# KiCad board MB1075.kicad_pcb (continued)
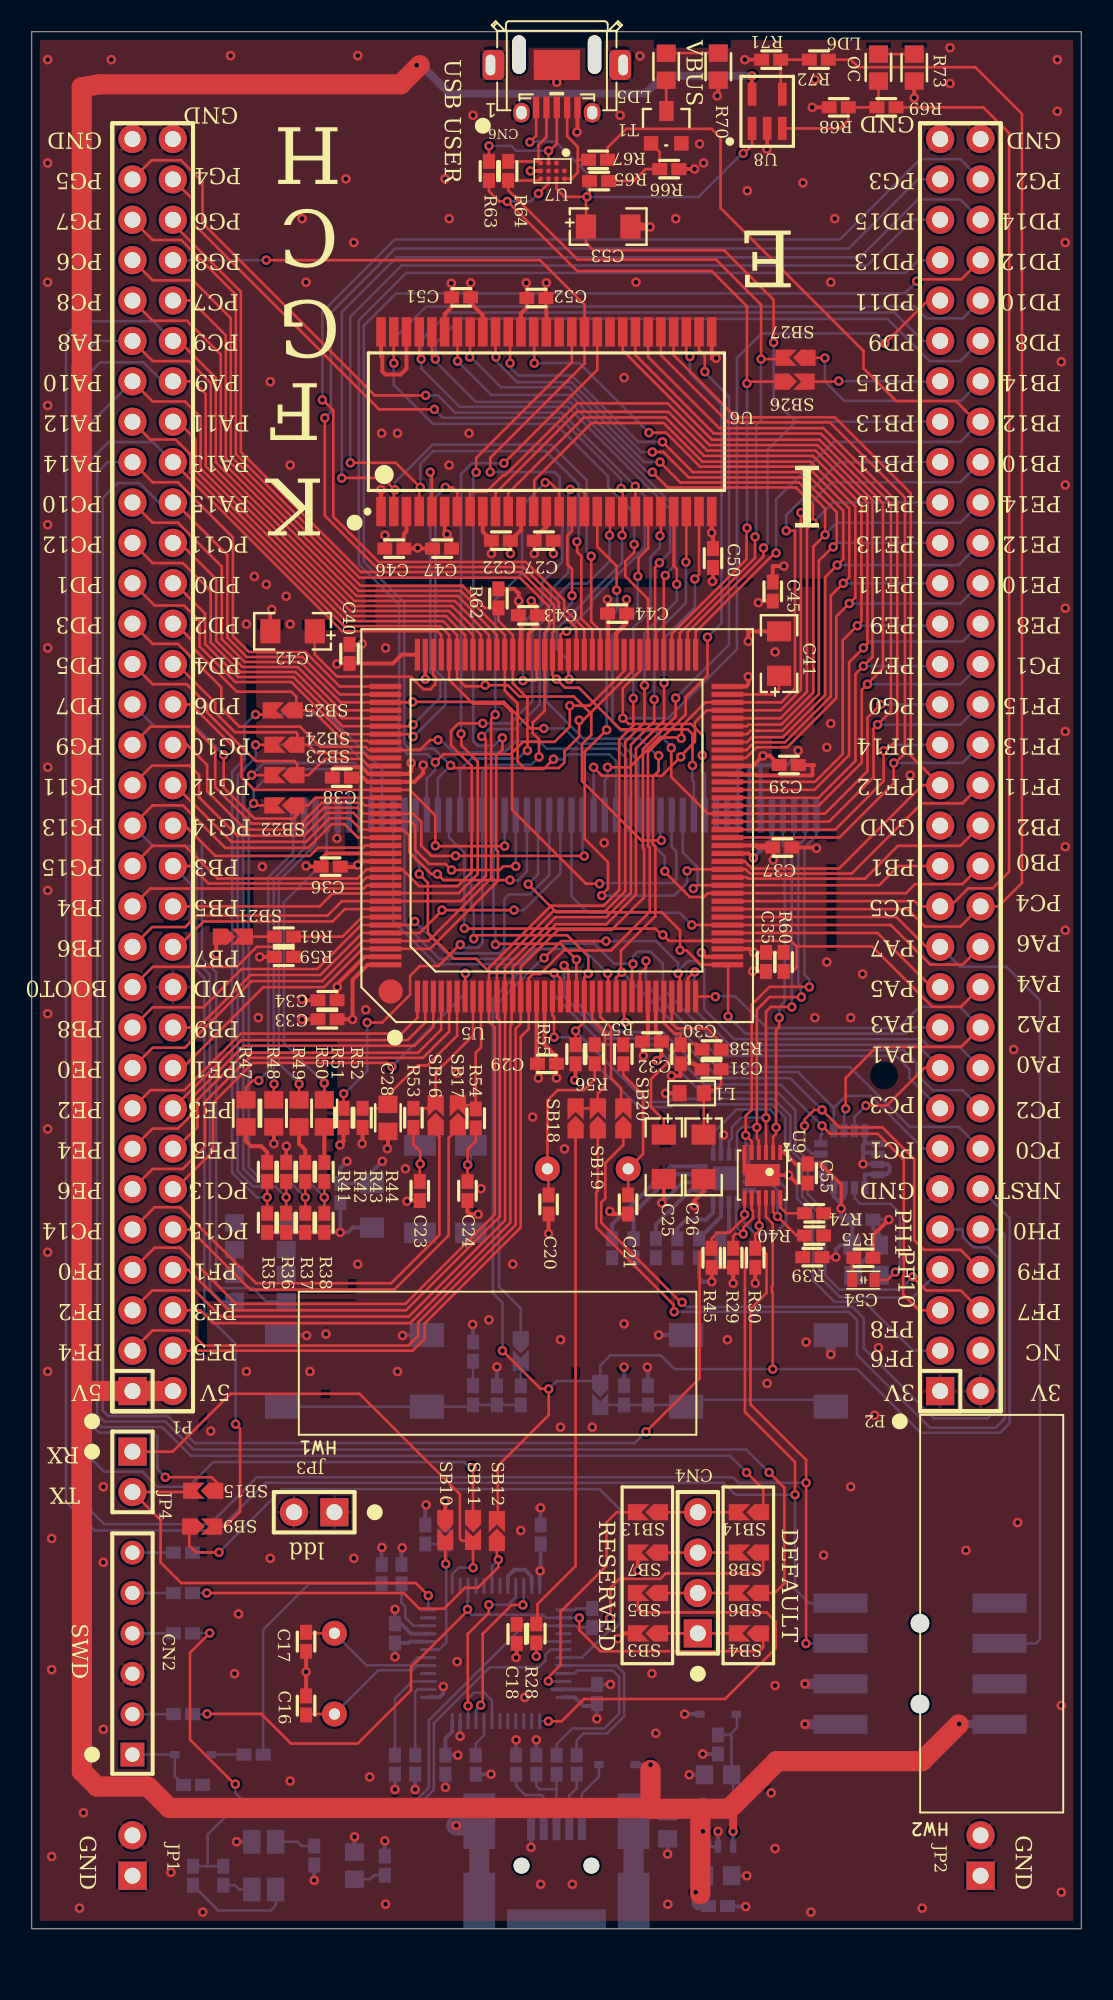
[diagram p0: board, top side]
## Nets (continued)
NetCN1_3: CN1.3 R10.1 R11.1
NetCN1_4: CN1.4 R9.1
NetCN2_1: CN2.1 D1.1 R5.1
NetCN2_2: CN2.2 R14.1
NetCN2_4: CN2.4 R15.1
NetCN2_5: CN2.5 R17.1
NetCN2_6: CN2.6 R20.1
NetCN4_1: CN4.1 SB3.1 SB4.2
NetCN4_2: CN4.2 SB5.1 SB6.2
NetCN4_3: CN4.3 SB7.1 SB8.2
NetCN4_4: CN4.4 SB13.1 SB14.2
NetCN5_45: CN5.45 R50.2
NetCN5_46: CN5.46 R49.2
NetCN5_47: CN5.47 R48.2
NetCN5_48: CN5.48 R47.2
NetCN6_2: CN6.2 R64.2 U7.D1
NetCN6_3: CN6.3 R63.2 U7.C1
NetCN6_4: CN6.4 R67.2 U7.A3
NetD1_2: D1.2 R13.1
NetLD1_2: LD1.2 R2.2
NetLD1_3: LD1.3 R1.2
NetLD1_4: LD1.4 R3.1
NetLD2_1: LD2.1 R4.1
NetLD3_1: LD3.1 R26.2
NetLD4_1: LD4.1 R27.2
NetLD5_1: LD5.1 R70.1
NetLD5_2: LD5.2 T1.3
NetLD6_1: LD6.1 R73.1
NetLD6_2: LD6.2 R68.1 R69.1 U8.3
NetP2_51: P2.51 SB26.2
NetP2_52: P2.52 SB27.1
NetR6_2: R6.2 U2.3
NetR7_2: R7.2 U2.2
NetR8_2: R8.2 U2.44
NetR23_1: R23.1 SB2.2
NetR28_1: R28.1 U2.29
NetR31_2: R31.2 U4.7
NetR32_1: R32.1 U4.8
NetR33_1: R33.1 U4.9
NetR34_1: R34.1 U4.11
NetR46_1: R46.1 U4.12
NetR61_1: R61.1 SB21.2
NetR65_1: R65.1 R66.1 T1.1
NetR71_1: R71.1 R72.2 U8.4
NetR74_2: R74.2 U9.12
NRST: CN5.39 P2.12 SB1.1 SB12.2 U5.25 U9.10
OSC_IN: C16.1 U2.5 X1.2
OSC_OUT: C17.1 U2.6 X1.1
PA0: P2.18 SB2.1 U5.34
PA1: P2.17 U3.7 U5.35
PA2: P2.20 U3.6 U5.36
PA4: CN5.34 P2.22 R60.1 U5.40
PA5: P2.21 U5.41
PA7: CN3.4 P2.23 U5.43
PA8: CN3.3 P1.53 R30.1 U4.4 U5.100 U9.9
PA9: P1.52 SB11.1 U5.101
PA10: P1.51 SB15.1 U5.102
PA11: CN5.15 P1.50 U5.103
PA12: CN5.14 P1.49 U5.104
PA13: P1.48 SB14.1 U5.105
PA14: P1.47 SB6.1 U5.109
PA15: P1.46 R45.1 U4.2 U5.110 U9.7
PB0: CN5.16 P2.28 U5.46
PB1: CN5.13 P2.27 U5.47
PB2: P2.30 U5.48
PB3: P1.28 SB9.2 U5.133
PB4: P1.25 U5.134
PB5: P1.26 U5.135 U6.37
PB6: P1.23 U5.136 U6.19
PB7: P1.24 U5.137
PB12: P2.50 R67.1 U5.73
PB13: C53.1 CN6.1 P2.49 R65.2 U5.74 U7.B3 U8.1
PB14: R64.1 SB27.2 U5.75 U7.D3
PB15: R63.1 SB26.1 U5.76 U7.C3
PC0: P2.14 U5.26 U6.16
PC1: P2.13 U3.5 U5.27
PC2: CN5.38 P2.16 U5.28
PC3: P2.15 U5.29
PC4: P2.26 R72.1 U5.44
PC5: P2.25 R69.2 U5.45
PC6: CN5.33 P1.57 R62.1 U5.96
PC8: P1.55 U5.98
PC9: CN3.1 P1.54 R29.1 U4.5 U5.99 U9.8
PC10: CN5.17 P1.45 U5.111
PC11: P1.44 U5.112
PC12: P1.43 U5.113
PC13: P1.12 U5.7
PC14: P1.9 SB16.1
PC14-OSC32_IN: R53.1 SB16.2 U5.8
PC15: P1.10 SB17.1
PC15-OSC32_OUT: R54.1 SB17.2 U5.9
PD2: P1.40 SB25.1 U5.116
PD4: P1.38 SB24.1 U5.118
PD5: P1.37 SB23.1 U5.119
PD7: P1.35 SB22.1 U5.123
PD11: CN5.11 P2.55 U5.80
PD12: CN5.35 P2.58 U5.81
PD13: CN5.36 P2.57 U5.82
PE0: P1.17 U5.141 U6.15
PE1: P1.18 U5.142 U6.39
PE2: P1.15 U5.1
PE3: P1.16 U5.2
PE4: P1.13 U5.3
PE5: P1.14 U5.4
PE6: P1.11 U5.5
PF6: P2.3 U5.18
PF7: CN5.37 P2.6 U3.2 U5.19
PF8: P2.5 U3.4 U5.20
PF9: CN5.30 P2.8 U3.3 U5.21
PF10: CN5.32 P2.7 R55.1 U5.22
PF11: P2.32 U5.49 U6.18
PG2: P2.62 U5.87
PG3: P2.61 U5.88
PG4: P1.62 U5.89 U6.20
PG5: P1.61 U5.90 U6.21
PG6: CN5.12 P1.60 U5.91
PG7: CN5.31 P1.59 R51.1 U5.92
PG8: P1.58 U5.93 U6.38
PG9: P1.33 U5.124
PG13: P1.29 R26.1 U5.128
PG14: P1.30 R27.1 U5.129
PG15: P1.27 U5.132 U6.17
PH0: P2.10 SB19.1
PH0-OSC_IN: R56.1 SB18.2 SB19.2 U5.23
PH1: P2.9 SB20.1
PH1-OSC_OUT: R57.1 SB20.2 U5.24
STLINK_RX: JP4.1 SB11.2 U2.13
STLINK_TX: JP4.2 SB15.2 U2.12
STM_JTCK: SB5.2 U2.37
STM_JTMS: SB13.2 U2.34
STM_RST: C9.2 R21.1 SB10.2 U2.7
SWIM: U2.22 U2.45
SWIM_IN: U2.21 U2.43 U2.46
SWIM_RST: U2.42
SWIM_RST_IN: U2.41
T_JTCK: R14.2 SB4.1 U2.15 U2.26
T_JTDI: U2.17
T_JTDO: U2.16
T_JTMS: R15.2 R16.2 SB8.1 U2.27
T_NRST: R17.2 SB12.1 U2.18
T_SWDIO_IN: R16.1 U2.25
T_SWO: R20.2 SB9.1 U2.31
U5V: CN1.1 D2.1
USB_DM: R12.2 U2.32
USB_DP: R11.2 U2.33
XL: CN5.2 U4.16 U9.4
XR: CN5.4 U4.13 U9.2
YD: CN5.1 U4.1 U9.5
YU: CN5.3 U4.15 U9.3

Pads without a net: CN3 2 6; CN5 9 10; P2 4; U2 4 11 14 19 28 38 39 40; U4 17; U5 145; U6 36 40; U7 A2 B1 B2 C2; X2 2 3

## Via types
v1: diameter 0.6, hole 0.3, TOP to Bottom, 500 vias

## Routing (per net, layer and track width the routed paths; a pad name or vN(x,y) marks a point on that pad's centre or on a via; arc(x,y) is an arc through that point)
3V: length 102.1
  TOP w0.21: v1(50.9,45.3) 50.9,46.82 49.61,48.1 C55.1 48.02,48.1 47.3,48.83 U9.1
  TOP w0.25: v1(42.76,87.8) 42.77,87.79 ; 42.77,87.79 U6.27 ; 42.77,87.79 42.8,87.75 42.84,87.75 C50.2 ; v1(55.5,115.14) 55.5,115.14 R73.2 ; R37.2 R38.2 ; R38.2 v1(19.4,43.8) ; R38.2 R35.2 ; 24.27,86.8 C47.2 ; 24.27,86.8 v1(24.27,86.84) ; 24.27,86.8 C46.2 23.4,87.72 23.57,87.89 U6.3 ; v1(43.11,115.27) 43.17,115.27 R70.2 ; v1(44.84,117.55) R71.2 ; 38.11,18.58 37.26,18.58 36.93,18.25 v1(36.86,18.25) ; U6.1 21.97,90.51 v1(21.96,90.51) ; U6.9 28.36,87.86 28.91,87.32 28.91,86.38 v1(28.91,86.49) ; U6.43 30.77,101.59 31.13,101.96 C52.2 31.13,103.51 v1(31.1,103.51) ; v1(31.61,86.49) 31.61,86.38 31.61,87.41 32.36,88.17 U6.14 ; R39.1 v1(50.57,42.24) ; v1(44.11,40.6) R29.2 R45.2 42.76,40.71 v1(42.77,40.7) ; v1(26.38,103.48) 26.4,103.48 C51.2 26.4,101.99 25.97,101.56 U6.49 ; R30.2 v1(45.5,40.6) ; v1(49.09,114.55) R68.2
  Bottom w0.25: 42.1,42.2 42.65,42.75 42.65,42.79 43.27,43.41 C49.2 43.85,43.95 U4.6 ; CN5.8 44.44,72.88 44.73,73.17 45.17,73.17 ; 45.86,73.17 47.48,73.17 48.2,73.89 v1(48.2,74.09) ; 45.86,73.17 45.84,73.16 CN5.6 ; 45.86,73.17 45.17,73.17 ; U4.14 43.35,49.78 v1(43.5,49.93) ; CN5.44 19.24,68.62 v1(19.2,68.58) ; v1(22.84,20.09) C8.2 23.23,19.18 23.85,18.56 U2.9 ; C7.2 35.54,14.01 ; 35.54,14.01 35.54,13.21 v1(35.54,13.21) ; 35.54,14.01 34.7,14.01 34.15,14.56 U2.36 ; R18.1 22,23.99 v1(22.02,23.99) ; v1(41.06,13.5) D3.2 ; v1(25.88,15.24) 25.88,14.8 25.65,14.56 U2.1 ; v1(31.97,22.51) 31.97,22.56 31.94,22.56 ; 50.9,45.6 50.44,46.06 50.44,46.63 49.88,46.63 49.7,46.8 49.7,47.37 49.61,47.45 ; 50.9,45.6 v1(50.9,45.3) 50.9,44.76 51.06,44.6 C48.2 51.6,44.5 C13.2 50.85,43 50.57,42.71 v1(50.57,42.24) ; 50.9,45.6 50.9,45.8 51.09,45.99 51.09,46.63 ; 45.17,73.17 45.14,73.15 CN5.7 ; U2.48 26.44,12.4 26.02,11.97 C4.2 v1(26.79,10.93) ; R31.1 41.97,40.93 42.2,40.7 v1(42.77,40.7) ; R3.2 17.76,3.05 v1(17.76,3.05) ; v1(31.73,11.88) 31.73,11.88 R10.2 ; 31.94,22.56 32,22.62 C10.2 ; 31.94,22.56 U2.24 ; C15.2 19.41,43.81 ; 19.35,70.87 19.35,70.04 ; C14.1 20.19,44.1 19.89,43.8 v1(19.4,43.8) ; v1(22.2,5.53) R4.2 ; v1(24.8,26.66) 24.75,26.66 R21.2
  Bottom w0.635: v1(48.63,15.41) CN3.5
5V: length 237.5
  TOP w0.25: U8.5 45.29,115.37 45.29,116.52 v1(45.29,116.52)
  TOP w0.5: 58.28,12.85 v1(58.32,12.89) ; 44.11,7.75 v1(44.11,6.12)
  TOP w1.27: P1.2 P1.1 3.15,33.82 ; 3.15,33.82 3.15,9.9 4.1,8.95 7.3,8.95 8.65,7.6 38.91,7.6 ; 3.15,33.82 3.14,33.82 3.14,115.81 4.26,116 23.2,116 24.4,117.2 ; 46.91,10.55 55.98,10.55 58.28,12.85 ; 46.91,10.55 46.85,10.55 43.85,7.55 42.1,7.55 ; 46.91,10.55 44.11,7.75 ; 42.1,7.55 38.91,7.55 38.91,7.6 ; 42.1,7.55 42.04,7.49 42.04,2.19 ; 38.91,7.6 38.91,9.99
  Bottom w0.25: v1(44.11,6.12) U1.1 ; v1(42.21,6.12) U1.3 ; D2.2 v1(38.91,10.33)
  Bottom w0.5: v1(58.32,12.89) 60.86,12.89 CN3.8 ; U1.3 42.21,4.23 42.31,4.13 C2.2 ; v1(45.29,116.52) 45.28,116.54 39.72,116.54 38.6,115.41 26.28,115.41 24.49,117.2 v1(24.2,117.2) ; v1(41.75,2.3) 41.75,1.55 41.86,1.44 C1.2
GND: length 196.3
  TOP w0.25: C23.2 23.6,45.8 v1(23.6,45.76) ; C45.1 46.6,85.7 v1(47.3,85.7) ; 31.76,82.56 31.76,81.95 31.25,81.44 U5.94 ; 31.76,82.56 31.76,82.56 31.73,82.58 31.73,83.19 v1(31.41,83.51) ; 31.76,82.56 C43.1 ; U6.41 32.36,102.56 C52.1 32.33,103.51 v1(32.36,103.51) ; 34.3,114.55 34.3,114.54 ; U5.38 42.38,61.13 v1(42.11,61.4) ; v1(17.25,66.84) 17.25,66.8 C36.1 18.27,66.8 18.27,67.35 18.55,67.63 U5.130 ; v1(17,57.19) 17,57.2 C33.1 ; C41.2 45.07,81.6 v1(45.07,80.97) ; C47.1 26.4,87.41 v1(26.11,87.7) 26.02,87.8 25.97,87.8 U6.6 ; v1(26.01,26.88) 26,26.88 26,25.55 ; v1(39.3,54.6) 39.6,54.9 39.6,56.05 39.25,56.4 U5.31 ; R47.1 13.47,49.54 13.79,49.22 14.43,49.22 14.8,48.85 R41.1 ; C40.1 20.78,80.78 v1(20.78,80.81) ; v1(31.86,53.51) 31.8,53.51 C29.1 31.8,54.79 31.75,54.84 U5.16 ; C16.2 v1(17.25,16.16) C17.2 ; C21.2 36.52,44.95 v1(36.35,45.13) ; v1(30.11,86.49) 30.11,87.32 30.77,87.98 U6.12 ; R66.2 v1(41.68,110.67) ; R55.2 34.2,53.38 v1(34.14,53.38) ; U5.51 45.1,67.63 v1(45.38,67.35) ; v1(22.36,49.06) 22.4,49.06 C28.1 ; 12.18,62.4 11.6,62.4 v1(11.6,61.3) ; R48.1 v1(15.22,49.38) ; 32.81,87.32 v1(32.81,86.49) ; v1(37.4,83.6) 37.41,83.6 C44.1 37.41,82.11 36.75,81.45 U5.83 ; C25.2 39.75,45.95 ; v1(42.81,84.74) 42.84,84.74 C50.1 ; C46.1 22.2,87.64 v1(22.2,87.64) ; U6.46 28.36,101.48 27.6,102.24 C51.1 27.6,103.51 v1(27.6,103.51) ; v1(23.86,73.32) 23.86,72.81 23.68,72.63 U5.120 21.18,72.63 20.75,73.05 19.05,73.05 18.91,72.91 C38.1 ; U8.2 46.25,111.92 v1(46.23,111.92) ; C24.2 27.4,45.09 27.56,44.93 v1(28.08,44.93) ; R50.1 18.39,49.22 18.4,49.22 R44.1 ; U6.28 42.77,98.77 v1(43.04,98.77) ; v1(53.9,44.6) 52.9,43.6 R75.1 ; C26.2 42.25,46.38 41.68,45.8 v1(41.68,45.48) ; v1(17,58.46) 17,58.4 C34.1 ; R42.1 16,49.22 v1(16.01,49.22) ; C37.1 49.35,68 v1(49.35,67.95) ; R43.1 17.2,48.99 16.81,49.38 R49.1 ; U6.52 23.57,98.13 23.18,97.75 22.25,97.75 22.05,97.95 22.05,98.91 21.97,98.91 U6.54 ; C55.2 48.1,46.9 v1(47.6,47.4) 45.04,47.4 44.83,47.62 U9.6 ; C18.1 30.5,17.11 30.46,17.07 30.46,17.06 v1(30.46,17.06) ; v1(31.36,110.55) U7.D2 ; v1(24.75,78.59) 24.75,78.59 U5.107 ; 38.11,23.66 v1(38.11,22.54) ; C42.2 15,82.97 v1(15.09,82.97) ; C39.1 49.19,73.19 49.1,73.1 49.1,72.59 49.04,72.53 45.55,72.53 45.51,72.58 43.8,72.58 U5.61 ; v1(45.34,60.22) 45.34,60.21 C35.1 ; v1(34.29,112.99) 34.32,113.02 CN6.5 ; CN6.10 v1(33.02,116.13) ; C31.1 42.04,54.05 41.69,54.4 C30.2 40.8,53.65 v1(40.23,53.65) ; C20.2 v1(32.5,43.72)
  TOP w0.5: v1(38.89,107.02) 38.89,107.05 C53.2
  Bottom w0.15: 42.75,5.17 42.69,5.23 42.69,5.36 42.67,5.38 42.67,5.54
  Bottom w0.21: 42.75,5.17 U1.2
  Bottom w0.25: 52.28,49.2 52.28,49.28 52.39,49.39 52.39,49.4 ; 52.28,49.2 v1(52.28,48.1) 53.8,48.1 53.95,47.95 53.95,47.65 53.75,47.45 52.39,47.45 52.39,46.63 ; 52.28,49.2 52.3,49.2 52.3,48.81 53.15,48.81 53.22,48.75 ; C9.1 26,26.56 26.02,26.57 26.02,26.88 v1(26.01,26.88) ; v1(23.3,23.97) 23.25,23.97 R19.1 ; C3.1 v1(39.98,4.71) ; v1(19.82,48.27) 19.41,47.85 C15.1 21.38,46.88 C14.2 21.4,47.62 v1(22.05,48.27) ; v1(30.46,11.88) 30.46,11.88 R9.2 ; v1(38.72,35.32) 38.75,35.32 C12.1 ; U2.47 26.94,12.11 v1(26.94,12.11) ; R8.1 v1(28.88,9.73) ; 32.74,15.06 U2.35 35.23,15.06 C7.1 v1(36.39,15.37) ; U2.20 29.94,22.18 30.34,22.58 31,22.58 31.44,22.15 U2.23 ; v1(42.2,11) C6.1 ; v1(45.38,67.35) 46.54,68.5 CN5.5 ; CN1.5 v1(31.4,5.12) ; v1(53.9,44.6) C48.1 52.9,44.06 53.3,43.66 C13.1 51.65,41.35 C19.1 ; R7.1 24.11,8.77 v1(24.11,8.77) ; v1(29.25,35.34) 29.25,35.34 R22.1 ; U2.8 23.78,18.06 23.7,17.98 C8.1 v1(22.84,17.11) ; 52.39,49.4 53.22,49.4 ; 52.39,49.4 52.39,50.23 52.39,50.23 ; v1(41.35,9.69) C5.2 ; 43.83,1.4 v1(44.9,1.4) ; 46.65,70.87 46.65,70.04 ; v1(39.42,37.34) 39.42,37.34 B2.2 ; C2.1 v1(44.97,3.34) ; v1(12.88,5.48) LD1.1 ; C10.1 32,26.37 31.85,26.37 31.74,26.48 v1(32,26.48) ; v1(43.16,6.12) U1.2 ; C4.1 v1(26.02,8.9) ; v1(20.3,5.78) 20.3,5.78 LD2.2 ; v1(39.63,45.64) 40.94,46.95 U4.10 ; R6.1 22.84,8.77 v1(22.84,8.77)
  Bottom w0.635: v1(50.25,36.13) 50.25,36.13 B2.3 ; v1(48.63,12.87) CN3.7
  Bottom w1.27: 28.15,6.5 CN1.6 ; 28.15,6.5 CN1.6 ; 28.15,6.5 v1(26.7,6.5) ; CN1.6 CN1.6
  vias: v1(1,117.55) v1(1,111.05) v1(1,103.55) v1(1,95.8) v1(1,88.3) v1(1,80.55) v1(1,73.05) v1(1,65.3) v1(1,57.55) v1(1,50.3) v1(1,42.55) v1(1,35.05) v1(1.25,24.55) v1(1.25,16.3) v1(1.25,4.55) v1(3,1.3) v1(3.25,7.3) v1(4.5,27.8) v1(4.5,23.05) v1(4.5,12.55) v1(5,117.55) v1(8.75,3.55) v1(10.75,1.05) v1(11.25,31.3) v1(12.5,117.8) v1(12.75,16.05) v1(13,19.8) v1(13.5,82.05) v1(13.5,35.05) v1(14,85.05) v1(14.25,57.3) v1(14.5,66.8) v1(14.75,84.55) v1(15,97.3) v1(15,23.3) v1(16,83.8) v1(16.25,92.05) v1(16.25,82.05) v1(16.25,9.3) v1(17,107.55) v1(17.25,103.55) v1(17.5,35.05) v1(18.5,37.4) v1(19.75,110.05) v1(20.25,106.05) v1(20.25,23.3) v1(20.5,117.8) v1(20.5,41.8) v1(21,57.8) v1(21.25,9.55) v1(22,94.05) v1(22.25,80.55) v1(22.25,1.55) v1(23,94.05) v1(23,35.05) v1(23.5,47.8) v1(26,110.05) v1(26.25,107.55) v1(26.25,92.05) v1(26.75,53.8) v1(26.75,16.8) v1(27.5,94.05) v1(27.75,114.05) v1(28.25,46.55) v1(28.75,38.3) v1(30.25,41.8) v1(30.75,25.05) v1(31,14.55) v1(31.5,51.05) v1(32,2.8) v1(33.25,37.05) v1(33.25,31.55) v1(33.5,49.05) v1(34,2.8) v1(35.25,31.55) v1(36,68.3) v1(37,114.05) v1(37.25,97.55) v1(37.25,38.05) v1(38,103.55) v1(38.25,117.78) v1(39,16.05) v1(39.25,12.3) v1(40,1.55) v1(40.5,107.55) v1(42,112.25) v1(42.25,111.05) v1(43.75,37.05) v1(45,109.3) v1(46.25,34.3) v1(46.5,8.55) v1(46.75,80.3) v1(46.75,15.3) v1(46.75,5.05) v1(48.5,109.8) v1(48.7,36.9) v1(49,1.05) v1(49.25,116.3) v1(49.25,57.3) v1(49.8,23.5) v1(50,74.3) v1(50,60.8) v1(50.25,103.55) v1(50.25,75.8) v1(50.5,107.55) v1(51.5,57.3) v1(51.5,27.8) v1(52.25,60.05) v1(53,32.3) v1(53.25,36.55) v1(55.25,72.55) v1(56,1.3) v1(57.75,118.3) v1(57.75,116.05) v1(58.75,23.8) v1(61.75,55.3) v1(62,25.55) v1(64.5,117.55) v1(64.5,114.3) v1(64.75,98.55) v1(64.75,14.05) v1(64.75,2.3) v1(65,106.05) v1(65,90.8) v1(65,83.05) v1(65,75.3) v1(65,68.05) v1(65,62.8)
VDD: length 67.7
  TOP w0.25: v1(24.62,73.18) 24.62,72.68 24.07,72.13 U5.121 21.11,72.13 20.84,72.4 C38.2 ; U5.72 44.92,78.13 45.07,78.27 v1(45.07,78.75) ; C36.2 19.42,66.78 20.3,66.78 20.65,67.13 20.8,67.13 ; v1(14.34,61.12) 14.34,61.13 R59.1 ; v1(39.86,52.54) 39.82,52.54 39.84,52.55 L1.1 ; R60.2 C35.2 v1(45.4,61.41) 45.37,61.41 45.14,61.63 U5.39 ; v1(19.19,79.54) 19.19,79.58 C40.2 22.72,79.58 23.27,80.13 U5.108 ; v1(36.2,83.6) 36.21,83.6 C44.2 36.25,82.72 U5.84 ; v1(20.5,66.9) 20.73,67.13 20.8,67.13 ; C33.2 20.17,57.2 ; 20.17,57.2 20.17,59.68 21.12,60.63 U5.144 ; 20.17,57.2 v1(20.17,57.19) ; C37.2 45.67,68 45.54,68.13 ; v1(38.46,54.9) 38.4,54.9 C32.2 38.41,55.8 38.75,56.14 U5.30 ; 19.2,59.23 19.2,59.23 19.2,59.4 20.93,61.13 U5.143 ; 19.2,59.23 v1(19.21,59.23) ; 19.2,59.23 C34.2 ; U5.95 30.75,82.45 C43.2 30.6,83.51 v1(30.62,83.51) 30.62,83.99 30.34,84.27 R62.2 ; 20.8,67.13 U5.131 ; 45.54,68.13 46.63,68.13 v1(46.63,67.23) ; 45.54,68.13 U5.52 ; C39.2 46.41,73.78 45.98,73.78 v1(45.98,73.77) 45.34,73.13 U5.62 ; R51.2 19.6,49.52 v1(19.38,49.29) ; v1(45.7,83.4) 45.7,83.5 C45.2 ; v1(20.78,49.38) 20.8,49.38 R52.2 ; U5.17 32.25,55.61 33,54.86 C29.2 v1(33,53.51)
  Bottom w0.25: B1.4 17.28,37.34 v1(17.28,37.31) ; R24.2 37.25,35.33 v1(37.25,35.33) ; v1(27.72,38.01) 27.75,38.01 R25.2 ; v1(23.32,37.31) 23.32,37.34 B1.1
A0: length 78
  TOP w0.165: P1.7 7.73,42.84 9.31,42.84 12.85,39.3 23.49,39.3 29.13,44.93 29.13,56.68 28.75,57.05 U5.10 28.75,60.43 32.66,64.34 35.96,64.34 36.94,65.32 36.94,74.78 37.83,75.67 v1(37.83,77.39) ; U6.23 39.57,87.6 v1(39.5,87.6)
  Bottom w0.165: v1(39.5,87.6) 39.5,86.87 38.91,86.27 38.91,84.1 38.9,84.09 38.9,82.9 37.83,81.83 v1(37.83,77.39)
A1: length 75.2
  TOP w0.165: U6.24 40.36,85.73 40.56,85.53 v1(40.56,84.56) ; v1(38.53,78.2) 38.53,75.87 37.32,74.65 37.32,65.26 36.07,64 32.8,64 29.25,60.45 U5.11 29.25,57.28 29.45,57.08 29.45,44.81 23.54,38.9 12.4,38.9 9.86,41.44 P1.8
  Bottom w0.165: v1(38.53,78.2) 38.53,81.48 40.56,83.51 v1(40.56,84.56)
A2: length 78.3
  TOP w0.165: v1(41.14,85.95) 41.17,85.95 U6.25 ; P1.5 7.58,40.15 10.25,40.15 11.9,38.5 23.71,38.5 29.77,44.56 29.77,58.63 U5.12 29.75,60.43 32.95,63.63 36.14,63.63 37.68,65.16 37.68,74.47 39.15,75.94 v1(39.15,77.31)
  Bottom w0.165: v1(39.15,77.31) 39.15,79.2 39.15,79.2 39.15,81.4 41.14,83.39 v1(41.14,85.95)
A3: length 75.7
  TOP w0.165: U6.26 41.97,85.16 v1(41.7,84.89) ; P1.6 10.6,38.9 11.41,38.09 23.79,38.09 25.7,40 25.7,40.02 30.1,44.41 30.1,56.79 30.18,56.88 30.18,58.63 U5.13 30.25,60.47 32.95,63.18 36.13,63.18 37.99,65.03 37.99,74.22 39.76,75.99 v1(39.76,78.35)
  Bottom w0.165: v1(41.7,84.89) 41.71,84.88 41.71,83.11 39.76,81.16 v1(39.76,78.35)
A4: length 93.2
  TOP w0.165: v1(42.33,97.93) 42.33,98.91 41.97,99.28 U6.29 ; P1.3 7.6,37.63 9.87,37.63 10.82,36.68 23.68,36.68 24.3,37.3 24.3,38.14 30.43,44.27 30.43,56.61 30.75,56.93 U5.14 30.75,60.48 33.09,62.82 36.47,62.82 38.51,64.86 38.51,67.9 38.44,67.97 38.44,74.18 40.49,76.24 v1(40.49,77.4)
  Bottom w0.165: v1(42.33,97.93) 42.33,97.87 43.85,96.35 43.85,80.76 v1(40.49,77.4)
A5: length 90.2
  TOP w0.165: P1.4 23.96,36.36 24.7,37.1 24.7,38.06 30.75,44.11 30.75,56.09 31.25,56.6 U5.15 31.25,59.78 31.51,60.05 31.97,60.05 33.46,61.53 36.44,61.53 38.87,63.96 38.87,67.98 38.75,68.1 38.75,74 41.12,76.37 41.12,77.46 42.5,78.83 v1(42.5,81.23) ; U6.30 41.17,99.1 v1(41.39,98.88)
  Bottom w0.165: v1(42.5,81.23) 43.38,82.11 43.38,95.83 41.39,97.83 v1(41.39,98.88)
A6: length 54.8
  TOP w0.165: U6.31 40.36,98.97 44.28,95.05 50.51,95.05 55.28,90.28 55.28,73.77 P2.31 56.01,71.92 50.77,66.68 45.3,66.68 44.85,67.13 U5.50
A7: length 56.7
  TOP w0.165: 54.21,73.23 54.91,73.93 54.91,90.01 50.19,94.74 43.8,94.74 39.57,98.97 U6.32 ; 54.21,73.23 54.21,72.05 50.79,68.63 U5.53 ; 54.21,73.23 v1(54.21,73.32)
  Bottom w0.165: P2.34 58.53,73.32 v1(54.21,73.32)
A8: length 53.8
  TOP w0.165: U5.54 43.75,69.13 50.53,69.13 53.57,72.17 v1(53.57,74.08) 53.7,74.08 54.43,74.81 54.43,89.73 49.79,94.37 43.24,94.37 38.77,98.84 U6.33
  Bottom w0.165: P2.33 53.95,74.46 v1(53.57,74.08)
A9: length 56.4
  TOP w0.165: U5.55 50.14,69.63 52.94,72.43 52.94,75.48 v1(53.19,75.73) 54.03,76.57 54.03,89.64 49.63,94.03 42.9,94.03 37.97,98.97 U6.34
  Bottom w0.165: P2.36 58.4,75.73 v1(53.19,75.73)
A10: length 43.2
  TOP w0.165: v1(38.11,85.05) 38.15,85.05 38.15,86.21 38.77,86.82 U6.22 ; v1(40.22,74.27) 40.22,72.44 42.53,70.13 U5.56 49.88,70.13 52.56,72.81 52.56,76.17 v1(53.39,77)
  Bottom w0.165: v1(38.11,85.05) 38.11,82.91 36.52,81.32 36.52,75.87 37.06,75.34 39.22,75.34 40.3,74.27 v1(40.22,74.27) ; v1(53.39,77) P2.35
A11: length 55.6
  TOP w0.165: U5.57 49.49,70.63 52.2,73.34 52.2,77.91 v1(52.56,78.27) 52.56,78.3 53.53,79.28 53.53,89.65 49.53,93.65 42.78,93.65 37.17,99.26 U6.35
  Bottom w0.165: P2.38 58.4,78.27 v1(52.56,78.27)
ADR_A0: length 8.6
  TOP w0.165: U9.11 46.62,45.08 v1(46.9,44.8) 48.1,43.6 R40.2 48.6,42.36 R39.2
  Bottom w0.165: v1(46.9,44.8) 46.9,46.45 46.4,46.95 U4.3
AIN_1: length 21.6
  Bottom w0.165: R13.2 14.55,18.82 17.43,21.7 R18.2 R19.2 23.25,20.52 23.49,20.27 23.49,19.57 24.01,19.06 U2.10
B2: length 29.3
  TOP w0.165: P1.36 10.01,77 13.19,73.83 13.19,72.43 13.99,71.63 U5.122 23.77,71.63 25.38,70.02 25.38,68.11 v1(25.38,68.11) 25.4,68.09 v1(29.74,68.09)
  Bottom w0.165: 29.85,70.87 29.85,70.04 ; CN5.29 v1(29.74,68.09)
B3: length 34.4
  TOP w0.165: v1(30.44,66.82) 29.67,66.82 29.43,66.59 v1(26.4,66.59) 26.02,66.97 25,66.97 24.11,67.86 24.11,69.38 23.86,69.63 U5.126 20.78,69.63 20.22,70.18 18.56,70.18 17.13,68.75 12.93,68.75 10.52,71.16 10.52,72.56 9.93,73.15 7.56,73.15 P1.31
  Bottom w0.165: CN5.28 v1(30.44,66.82) ; 30.55,70.87 30.55,70.04
B4: length 31.2
  TOP w0.165: v1(30.08,65.95) 25.89,65.95 v1(25.51,66.33) 25.13,66.33 23.73,67.73 23.73,68.75 23.35,69.13 U5.127 20.69,69.13 19.98,69.84 18.73,69.84 17.25,68.36 12.55,68.36 9,71.92 P1.32
  Bottom w0.165: v1(30.08,65.95) 30.59,65.95 31.14,66.5 CN5.27 ; 31.25,70.87 31.25,70.04
B5: length 38
  TOP w0.165: v1(43.8,57.38) 43.8,60.59 U5.37 42.07,60.63 41.16,61.54 v1(40.77,61.54) 40.77,62.78 39.62,63.94 32.98,63.94 v1(31.22,65.7)
  Bottom w0.165: v1(43.8,57.38) 44.88,56.3 54.95,56.3 55.33,56.68 P2.19 ; v1(31.22,65.7) 31.84,66.31 CN5.26 ; 31.95,70.87 31.95,70.04
B6: length 38.3
  TOP w0.165: v1(24.08,63.35) 24.05,63.35 23.83,63.13 U5.139 20.72,63.13 17.95,60.36 13.2,60.36 10.78,57.95 7.6,57.95 P1.19
  Bottom w0.165: 32.65,70.87 32.65,70.04 ; v1(24.08,63.35) 26.09,61.34 29.49,61.34 29.72,61.57 29.72,64.77 30.01,65.05 31.33,65.05 32.54,66.26 CN5.25
B7: length 32.9
  TOP w0.165: P1.20 10.46,56.68 13.76,59.98 18.14,59.98 20.79,62.63 U5.140 24.39,62.63 25.8,64.03 v1(25.8,64.06) v1(30.33,64.06)
  Bottom w0.165: v1(30.33,64.06) 30.94,64.06 33.24,66.36 CN5.24 ; 33.35,70.87 33.35,70.04
BOOT0: length 18.8
  TOP w0.165: P1.21 7.61,60.5 12.89,60.5 14.15,61.76 16.45,61.76 ; 16.45,61.76 R61.2 19.54,62.4 20.77,63.63 U5.138 ; 16.45,61.76 R59.2
D0: length 84.9
  TOP w0.165: 22.77,90.49 v1(22.84,90.49) ; 22.77,90.49 U6.2 ; 22.77,90.49 22.77,90.56 22.08,91.25 19.49,91.25 v1(19.49,91.23) ; v1(35.18,86.32) 35.18,82.22 35.75,81.65 U5.85
  Bottom w0.165: v1(22.84,90.49) 22.84,90.97 25.21,93.34 32.67,93.34 34.9,91.11 34.9,86.6 v1(35.18,86.32) ; P2.60 58.4,108.75 55.72,108.75 52.09,105.12 22.94,105.12 19.5,101.68 19.5,91.23 v1(19.49,91.23)
D1: length 79.5
  TOP w0.165: U5.86 35.25,81.7 34.56,82.39 34.56,86.33 34.3,86.59 34.3,87.23 v1(34.28,87.23) ; U6.4 24.36,90.65 v1(24.43,90.65) 22.88,92.2 v1(20.03,92.2)
  Bottom w0.165: v1(34.28,87.23) 34.28,87.26 34.4,87.39 34.4,90.84 32.32,92.93 25.24,92.93 24.43,92.11 v1(24.43,90.65) ; P2.59 55.4,107.48 52.53,104.6 23.26,104.6 20.03,101.38 20.03,92.34 19.88,92.2 v1(20.03,92.2)
D2: length 39.5
  TOP w0.165: U6.5 25.17,91.61 v1(25.06,91.61) ; v1(23.98,75.73) 23.98,75.63 U5.114 19.55,75.63 16.46,78.72 12.98,78.72 10.9,80.8 10.9,82.72 9,84.62 P1.42
  Bottom w0.165: v1(23.98,75.73) 25.7,77.44 25.7,78.39 25.06,79.02 v1(25.06,91.61)
D3: length 41.7
  TOP w0.165: v1(26.02,90.65) 26.45,90.65 26.77,90.34 U6.7 ; v1(23.98,74.98) 23.83,75.13 U5.115 19.61,75.13 16.33,78.41 12.79,78.41 10.55,80.65 10.55,82.25 9.58,83.22 7.73,83.22 P1.41
  Bottom w0.165: v1(26.02,90.65) 25.38,90.02 25.38,79.15 26.01,78.52 26.01,76.98 24.01,74.98 v1(23.98,74.98)
D4: length 62.1
  TOP w0.165: U6.8 27.57,90.37 28.6,90.37 29.64,91.41 29.78,91.41 34.3,95.93 40,95.93 42.62,93.31 49.41,93.31 52.88,89.85 52.88,79.99 v1(52.3,79.41) 51.8,78.91 51.8,73.45 49.48,71.13 U5.58
  Bottom w0.165: v1(52.3,79.41) 57,79.41 P2.37
D5: length 62
  TOP w0.165: U5.59 49.22,71.63 51.4,73.81 51.4,79.65 v1(52.3,80.56) 52.56,80.81 52.56,89.7 49.29,92.97 42.47,92.97 40.03,95.4 34.28,95.4 29.17,90.29 U6.10
  Bottom w0.165: P2.40 58.55,80.96 52.71,80.96 v1(52.3,80.56)
D6: length 57.1
  TOP w0.165: U6.11 29.97,90.29 34.72,95.05 39.86,95.05 42.28,92.63 49.12,92.63 52.18,89.57 52.18,82.21 v1(51.92,81.95) 51,81.03 51,73.88 49.25,72.13 U5.60
  Bottom w0.165: P2.39 57.13,81.95 v1(51.92,81.95)
D7: length 55.6
  TOP w0.165: U6.13 31.6,89.13 31.6,91.1 35.2,94.7 39.74,94.7 42.17,92.27 48.97,92.27 51.8,89.45 51.8,83.73 v1(51.42,83.35) 50.6,82.54 50.6,77.4 47.5,74.3 45.58,74.3 44.91,73.63 U5.63
  Bottom w0.165: v1(51.42,83.35) 58.4,83.35 P2.42
D8: length 51.9
  TOP w0.165: v1(31.6,98.46) 31.6,100.43 U6.42 ; v1(38.81,94.09) 39.89,94.09 42.03,91.95 48.78,91.95 51.42,89.32 51.42,85 v1(51.03,84.62) 50.25,83.84 50.25,77.5 47.37,74.62 45.44,74.62 44.95,74.13 U5.64
  Bottom w0.165: v1(38.81,94.09) 34.44,98.46 v1(31.6,98.46) ; v1(51.03,84.62) P2.41
D9: length 56
  TOP w0.165: U5.65 44.98,74.63 45.29,74.94 47.24,74.94 49.9,77.6 49.9,85.01 v1(50.65,85.76) 51.03,86.14 51.03,89.19 48.61,91.61 41.57,91.61 v1(39.67,93.51) ; v1(30.08,98.46) 30.08,100.32 U6.44
  Bottom w0.165: v1(30.08,98.46) 30.08,98.21 30.6,97.69 33.96,97.69 38.14,93.51 v1(39.67,93.51) ; P2.44 58.27,85.76 v1(50.65,85.76)
D10: length 52.8
  TOP w0.165: U6.45 29.17,98.87 v1(29.19,98.84) ; v1(39.03,92.88) 39.72,92.88 41.32,91.27 48.45,91.27 50.62,89.1 50.62,87.13 v1(50.4,86.91) 50.37,86.91 49.5,86.04 49.5,77.65 47.2,75.35 45.2,75.35 44.98,75.13 U5.66
  Bottom w0.165: v1(39.03,92.88) 38.33,92.88 33.94,97.26 30.53,97.26 29.19,98.6 v1(29.19,98.84) ; v1(50.4,86.91) 50.65,87.16 P2.43
D11: length 56.7
  TOP w0.165: U5.67 44.96,75.63 45.07,75.73 47.13,75.73 49.15,77.75 49.15,86.93 v1(49.89,87.67) 49.89,89.32 48.25,90.96 40.79,90.96 v1(39.51,92.24) ; U6.47 27.57,98.84 v1(27.54,98.84)
  Bottom w0.165: v1(27.54,98.84) 27.62,98.84 29.52,96.95 33.81,96.95 38.52,92.24 v1(39.51,92.24) ; v1(49.89,87.67) 49.89,87.7 50.62,88.43 58.4,88.43 P2.46
D12: length 54.1
  TOP w0.165: v1(39.03,91.61) 40,90.64 48.06,90.64 49.13,89.57 v1(49.13,88.43) 48.75,88.05 48.75,77.8 47.08,76.13 U5.68 ; U6.48 26.78,100.42 v1(26.78,98.59)
  Bottom w0.165: v1(26.78,98.59) 26.81,98.59 26.81,98.56 28.9,96.46 33.85,96.46 38.71,91.61 v1(39.03,91.61) ; v1(49.13,88.43) 50.4,89.7 P2.45
D13: length 68
  TOP w0.165: v1(39.84,85.11) 39.75,85.11 U5.77 ; U6.50 25.17,98.93 v1(25.38,98.72)
  Bottom w0.165: P2.54 58.4,98.59 56.47,98.59 53.82,101.24 26.93,101.24 25.38,99.69 v1(25.38,98.72) 25.38,98.57 27.92,96.03 33.84,96.03 40.46,89.4 40.46,85.78 39.8,85.11 v1(39.84,85.11)
D14: length 66.5
  TOP w0.165: U5.78 39.25,81.55 39.2,81.6 39.2,85.62 39.47,85.9 v1(39.47,85.91) ; U6.51 24.36,98.84 v1(24.49,98.72)
  Bottom w0.165: v1(39.47,85.91) 40.15,86.59 40.15,89.27 33.71,95.71 26.91,95.71 24.49,98.14 v1(24.49,98.72) 24.49,99.91 26.23,101.64 54.26,101.64 56.04,99.86 P2.53
D15: length 72
  TOP w0.165: U5.79 38.75,81.54 38.75,81.54 38.75,83.64 37.33,85.06 37.33,86 37.89,86.56 v1(37.89,87.07) ; U6.53 v1(22.77,98.46)
  Bottom w0.165: P2.56 58.55,101.28 56.27,101.28 55.52,102.02 24.8,102.02 22.77,99.99 v1(22.77,98.46) 22.77,97.1 25.22,94.65 32.94,94.65 36.25,91.34 36.25,90.65 37.89,89.01 v1(37.89,87.07)
G2: length 33.9
  TOP w0.165: v1(41.51,63.13) 54.02,63.13 56.51,60.64 58.55,60.64 P2.24
  Bottom w0.165: 34.05,70.87 34.05,70.04 ; CN5.23 33.94,64.94 34.98,63.9 40.74,63.9 v1(41.51,63.13)
G3: length 35.2
  TOP w0.165: v1(34.74,67.47) 34.74,67.47 31.48,67.47 v1(26.65,67.48) 25.13,67.48 24.49,68.11 24.49,69.62 23.98,70.13 U5.125 20.88,70.13 20.51,70.5 18.37,70.5 17,69.13 13.44,69.13 11.03,71.54 11.03,73.19 9.76,74.46 P1.34
  Bottom w0.165: CN5.22 34.64,67.57 v1(34.74,67.47) ; 34.75,70.87 34.75,70.04
G4: length 43
  TOP w0.165: v1(35.33,73.05) 35.86,72.51 39.62,72.51 v1(40.81,73.7) 40.81,73.76 41.7,74.65 41.7,75.88 42.46,76.63 47.08,76.63 48.37,77.92 v1(48.37,89.07)
  Bottom w0.165: P2.48 58.4,90.97 50.3,90.97 48.4,89.07 v1(48.37,89.07) ; v1(35.33,73.05) 35.34,73.04 CN5.21
G5: length 39.9
  TOP w0.165: v1(36.21,73.05) 37.6,73.05 39.47,74.92 40.8,74.92 v1(40.85,74.87) 40.88,74.91 40.88,75.65 42.37,77.13 47.13,77.13 48,78 48,87.92 v1(47.45,87.92)
  Bottom w0.165: v1(47.45,87.92) 47.45,88.9 50.79,92.24 P2.47 ; CN5.20 36.04,72.23 36.21,72.41 v1(36.21,73.05)
G6: length 52.7
  TOP w0.165: v1(32.81,73.55) 32.2,72.94 31.02,72.94 30.55,73.42 30.55,77.05 29.75,77.85 U5.97 29.75,81.36 26.97,84.14 20.54,84.14 12.2,92.49 12.2,100.21 10.01,102.4 P1.56
  Bottom w0.165: CN5.19 36.75,70.05 36.75,73.44 36.32,73.86 33.7,73.86 33.4,73.55 v1(32.81,73.55)
G7: length 40
  TOP w0.165: P1.39 7.6,80.81 9.19,80.81 11.92,78.08 11.92,76.75 13.06,75.6 16.87,75.6 18.14,74.33 20.99,74.33 21.19,74.13 U5.117 24.42,74.13 25.05,74.77 v1(25.55,74.77)
  Bottom w0.165: CN5.18 37.44,73.55 36.78,74.21 36.44,74.21 36.44,74.21 36.02,74.21 32.39,74.21 31.9,74.7 30.45,74.7 29.75,74 26.5,74 25.73,74.77 v1(25.55,74.77)
IM0: length 47.7
  TOP w0.165: R35.1 v1(14.8,46) R41.2 ; v1(14.08,76.37) 15.26,76.37
  Bottom w0.165: v1(14.8,46) 14.15,46 12.6,47.55 12.6,72.78 13.37,73.55 13.37,75.69 14.05,76.37 v1(14.08,76.37) 18.59,76.37 22.03,72.92 CN5.40
IM1: length 45.1
  TOP w0.165: v1(14.08,74.46) 15.26,74.46 ; R36.1 v1(16,46) 15.91,46 15.91,46.21 16,46.3 R42.2
  Bottom w0.165: CN5.41 21.34,72.91 19.79,74.46 v1(14.08,74.46) 14.08,73.68 12.95,72.55 12.95,47.65 13.92,46.68 15.32,46.68 v1(16,46)
IM2: length 43.3
  TOP w0.165: R43.2 v1(17.2,46) R37.1 ; v1(13.82,72.56) 15.26,72.56
  Bottom w0.165: v1(17.2,46) 16.2,47 14.11,47 13.3,47.81 13.3,72.03 v1(13.82,72.56) 14.58,73.32 20.3,73.32 20.64,72.98 CN5.42
IM3: length 42
  TOP w0.165: 15.26,70.65 13.95,70.65 v1(13.95,70.78) ; R44.2 v1(18.4,46) R38.1
  Bottom w0.165: v1(18.4,46) 17.09,47.31 14.24,47.31 13.65,47.9 13.65,70.45 13.95,70.75 v1(13.95,70.78) 13.95,71.58 15.3,72.94 19.62,72.94 19.94,72.61 CN5.43
LED_STLINK: length 33.8
  Bottom w0.165: 11.06,3.94 11.06,5.94 12.82,7.7 24.24,7.7 25.29,8.74 25.29,12.92 28.81,16.45 31.88,16.45 32.3,16.87 32.3,17.24 32.62,17.56 U2.30 ; 11.06,3.94 R1.1 ; 11.06,3.94 R2.1
MCO: length 33.7
  TOP w0.165: 34.2,50.5 34.2,22.82 31.8,20.42 31.8,19.18 ; 31.8,19.18 31.77,19.15 C18.2 ; 31.8,19.18 R28.2
NetB1_2: length 15.1
  Bottom w0.165: B1.3 B1.2 27.75,32.84 C11.1 R22.2 R23.2
NetB2_1: length 15.4
  Bottom w0.165: 41.15,32.95 B2.1 ; 41.15,32.95 C12.2 R24.1 35.75,32.95 ; 41.15,32.95 41.15,33.27 50.25,33.27 B2.4
NetC3_2: length 2.4
  Bottom w0.165: U1.4 41.57,7.87 41.07,7.37 C3.2
NetC5_1: length 6.8
  Bottom w0.165: D3.1 44.35,13.5 44.35,12.65 43.9,12.2 ; 43.9,12.2 44.01,12.09 C5.1 44.11,9.69 U1.5 ; 43.9,12.2 C6.2
NetC11_2: length 1.6
  Bottom w0.165: R25.1 C11.2
NetC19_2: length 10.3
  TOP w0.165: v1(54.31,41.3) 53.81,40.8 C54.2
  Bottom w0.165: U3.14 51.74,45.96 52.1,45.6 54,45.6 54.6,45 54.6,41.59 v1(54.31,41.3) 54.11,41.1 C19.2
NetC20_1: length 10.5
  TOP w0.165: R56.2 35.4,53.43 34.71,52.74 33.07,52.74 32.43,52.1 X3.2 32.5,47.8 C20.1
NetC21_1: length 9.2
  TOP w0.165: C21.1 37.51,46.15 X3.1 38.45,48.73 38.45,52.45 37.2,53.7 R57.2
NetC23_1: length 4.8
  TOP w0.165: R53.2 24,49.32 24.43,48.89 v1(24.43,48.11) 24.4,48.11 C23.1
  Bottom w0.165: X2.4 24.42,48.11 v1(24.43,48.11)
NetC24_1: length 5.1
  TOP w0.165: C24.1 27.4,48.04 v1(27.41,48.04) 27.41,49.03 27.92,49.54 R54.2
  Bottom w0.165: v1(27.41,48.04) 27.41,47.99 27.61,47.99 X2.1
NetC25_1: length 11.9
  TOP w0.165: U5.32 39.75,56.98 40.43,56.3 40.8,56.3 40.8,55.65 ; 40.8,55.65 41.8,55.65 R58.2 ; 40.8,55.65 C30.1 40.14,54.94 40.14,54.62 38.94,53.43 38.94,51.68 39.75,50.87 C25.1
